# Altium PCB Matrix.PcbDoc (part 1 of 4) (continued)
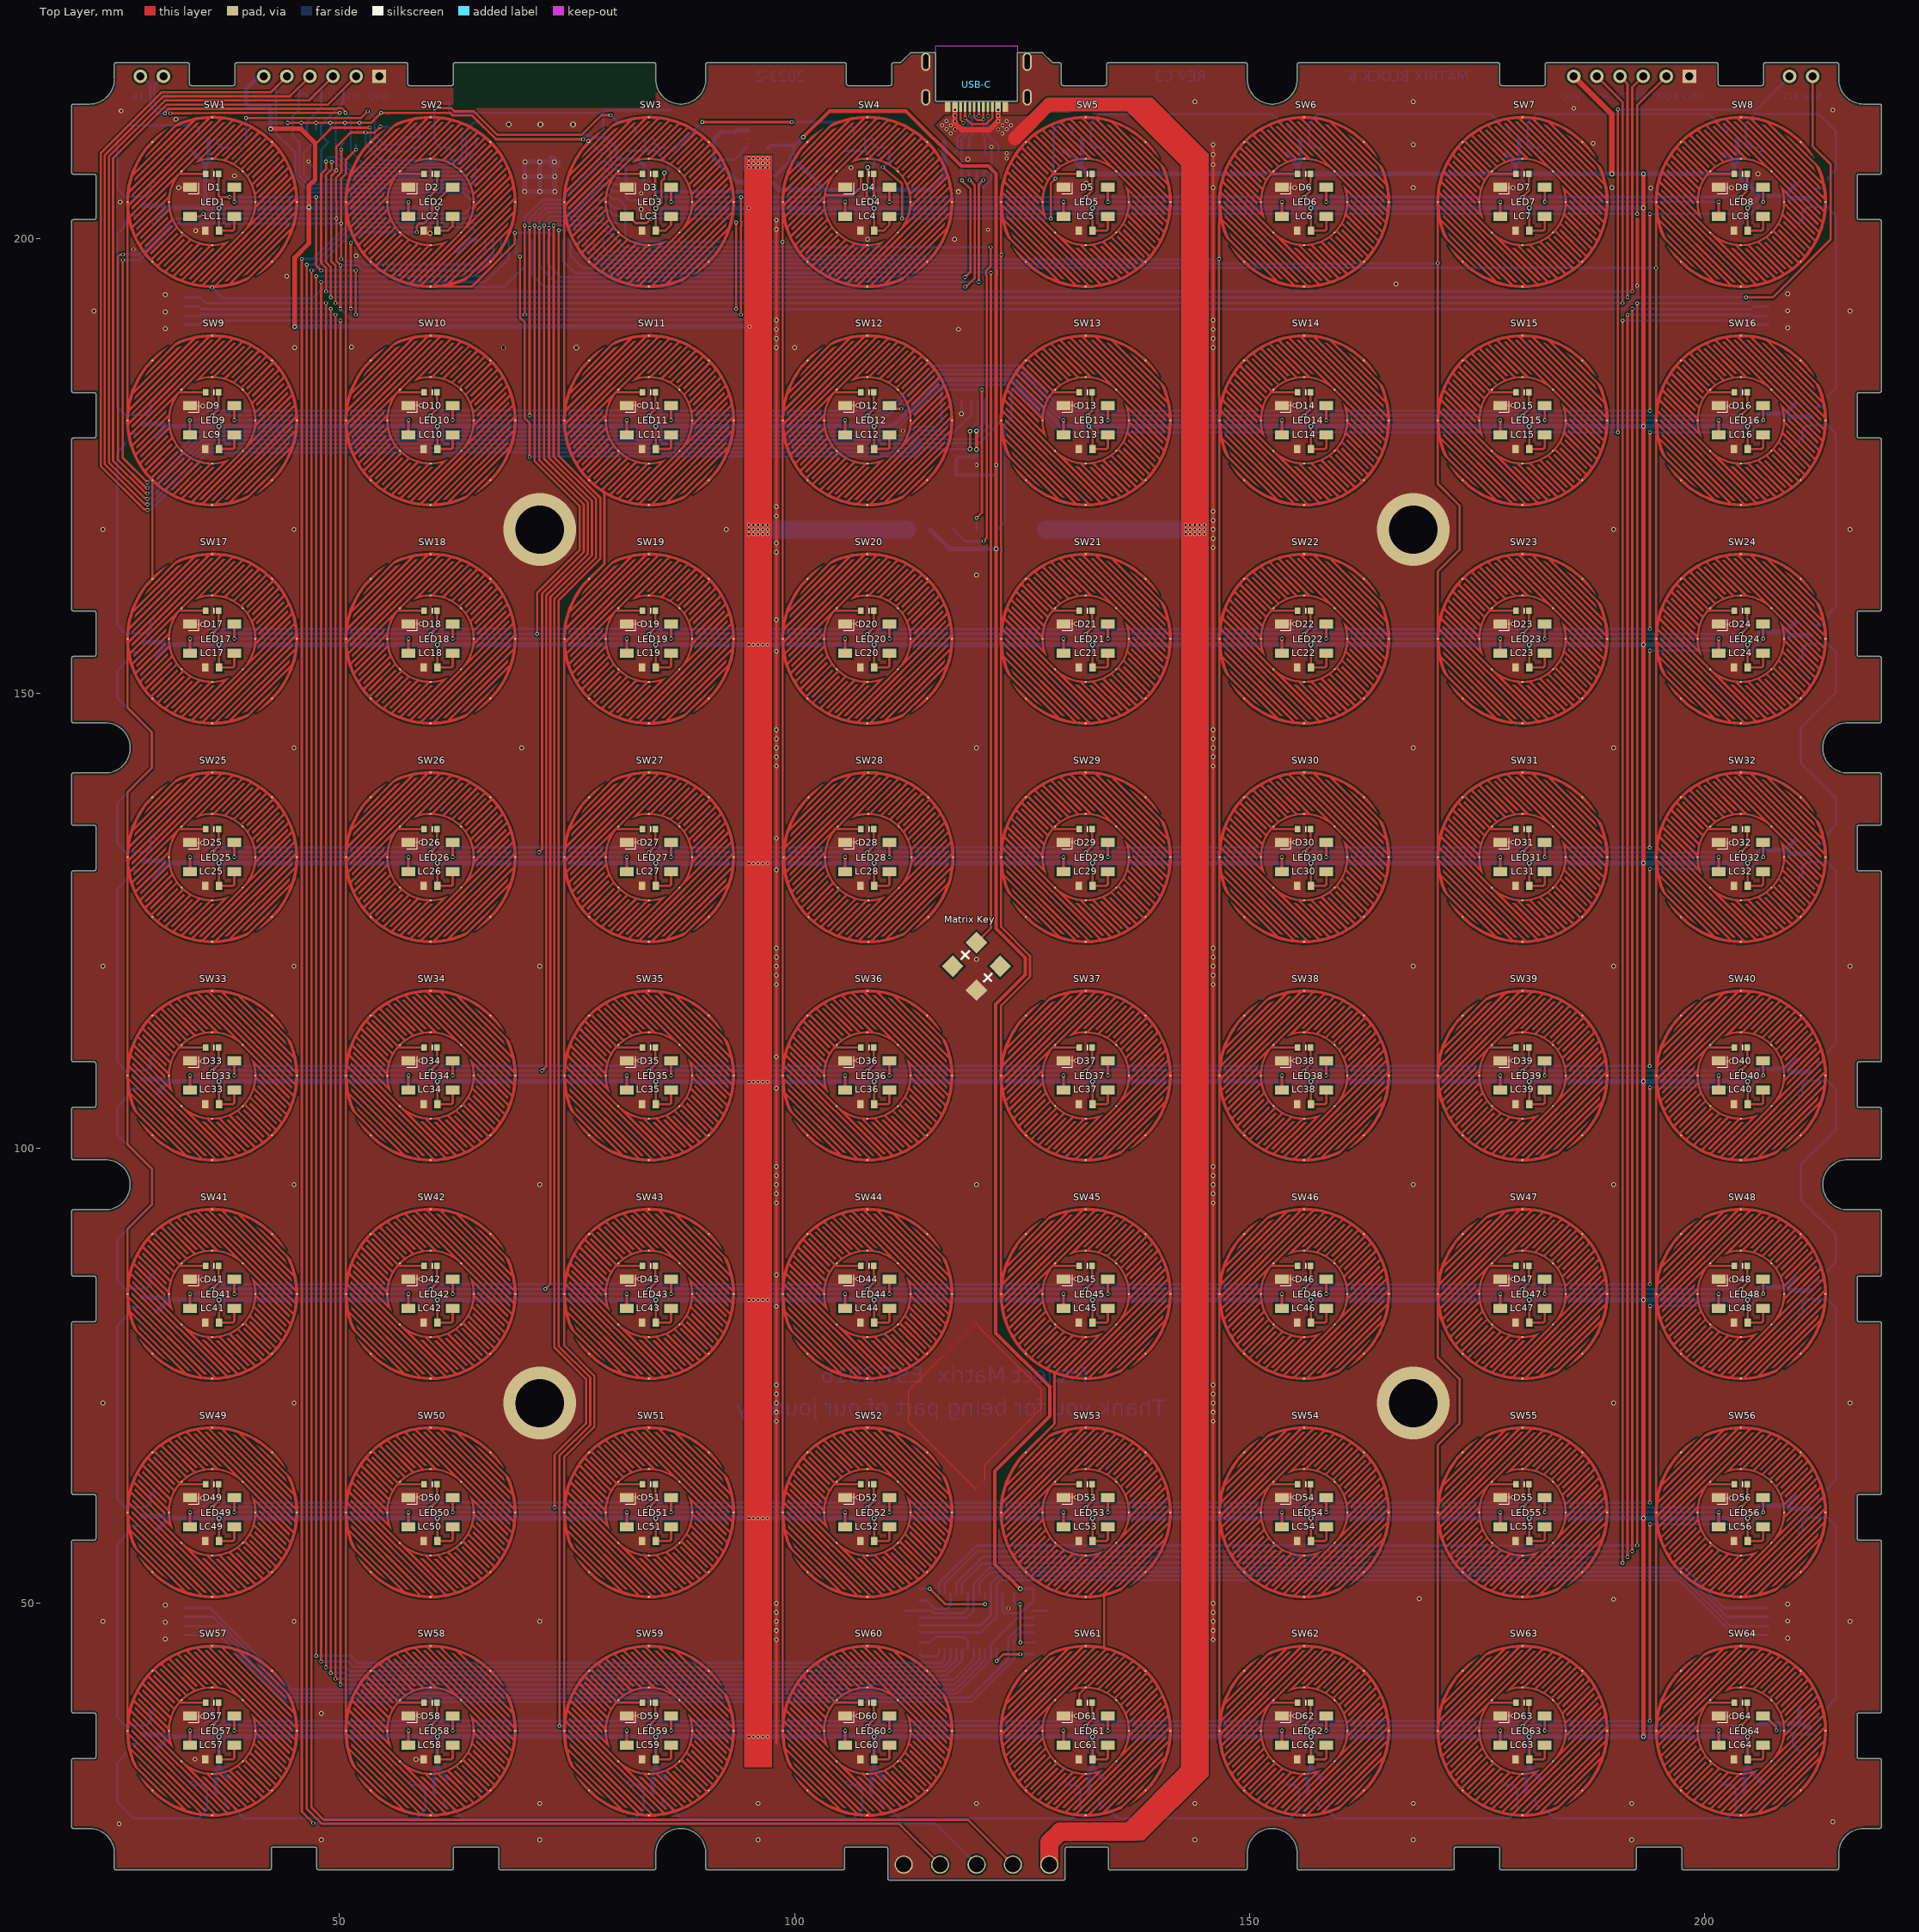
[diagram p0: Top Layer view]
## Components (designator, comment, footprint, x,y, rotation, side; value= is the part's Value field where it differs from the comment) (continued)
EXT "Comment" HDR1X2 30.645,217.8 r180 bottom
I2C "Comment" HDR1X2 211.895,217.8 r180 bottom
LC1 "Cap Semi" "0603 CAP" 36,200.85 r0 top value=0.1uf
LC2 "Cap Semi" "0603 CAP" 60,200.85 r0 top value=0.1uf
LC3 "Cap Semi" "0603 CAP" 84,200.85 r0 top value=0.1uf
LC4 "Cap Semi" "0603 CAP" 108,200.85 r0 top value=0.1uf
LC5 "Cap Semi" "0603 CAP" 132,200.85 r0 top value=0.1uf
LC6 "Cap Semi" "0603 CAP" 156,200.85 r0 top value=0.1uf
LC7 "Cap Semi" "0603 CAP" 180,200.85 r0 top value=0.1uf
LC8 "Cap Semi" "0603 CAP" 204,200.85 r0 top value=0.1uf
LC9 "Cap Semi" "0603 CAP" 36,176.85 r0 top value=0.1uf
LC10 "Cap Semi" "0603 CAP" 60,176.85 r0 top value=0.1uf
LC11 "Cap Semi" "0603 CAP" 84,176.85 r0 top value=0.1uf
LC12 "Cap Semi" "0603 CAP" 108,176.85 r0 top value=0.1uf
LC13 "Cap Semi" "0603 CAP" 132,176.85 r0 top value=0.1uf
LC14 "Cap Semi" "0603 CAP" 156,176.85 r0 top value=0.1uf
LC15 "Cap Semi" "0603 CAP" 180,176.85 r0 top value=0.1uf
LC16 "Cap Semi" "0603 CAP" 204,176.85 r0 top value=0.1uf
LC17 "Cap Semi" "0603 CAP" 36,152.85 r0 top value=0.1uf
LC18 "Cap Semi" "0603 CAP" 60,152.85 r0 top value=0.1uf
LC19 "Cap Semi" "0603 CAP" 84,152.85 r0 top value=0.1uf
LC20 "Cap Semi" "0603 CAP" 108,152.85 r0 top value=0.1uf
LC21 "Cap Semi" "0603 CAP" 132,152.85 r0 top value=0.1uf
LC22 "Cap Semi" "0603 CAP" 156,152.85 r0 top value=0.1uf
LC23 "Cap Semi" "0603 CAP" 180,152.85 r0 top value=0.1uf
LC24 "Cap Semi" "0603 CAP" 204,152.85 r0 top value=0.1uf
LC25 "Cap Semi" "0603 CAP" 36,128.85 r0 top value=0.1uf
LC26 "Cap Semi" "0603 CAP" 60,128.85 r0 top value=0.1uf
LC27 "Cap Semi" "0603 CAP" 84,128.85 r0 top value=0.1uf
LC28 "Cap Semi" "0603 CAP" 108,128.85 r0 top value=0.1uf
LC29 "Cap Semi" "0603 CAP" 132,128.85 r0 top value=0.1uf
LC30 "Cap Semi" "0603 CAP" 156,128.85 r0 top value=0.1uf
LC31 "Cap Semi" "0603 CAP" 180,128.85 r0 top value=0.1uf
LC32 "Cap Semi" "0603 CAP" 204,128.85 r0 top value=0.1uf
LC33 "Cap Semi" "0603 CAP" 36,104.85 r0 top value=0.1uf
LC34 "Cap Semi" "0603 CAP" 60,104.85 r0 top value=0.1uf
LC35 "Cap Semi" "0603 CAP" 84,104.85 r0 top value=0.1uf
LC36 "Cap Semi" "0603 CAP" 108,104.85 r0 top value=0.1uf
LC37 "Cap Semi" "0603 CAP" 132,104.85 r0 top value=0.1uf
LC38 "Cap Semi" "0603 CAP" 156,104.85 r0 top value=0.1uf
LC39 "Cap Semi" "0603 CAP" 180,104.85 r0 top value=0.1uf
LC40 "Cap Semi" "0603 CAP" 204,104.85 r0 top value=0.1uf
LC41 "Cap Semi" "0603 CAP" 36,80.85 r0 top value=0.1uf
LC42 "Cap Semi" "0603 CAP" 60,80.85 r0 top value=0.1uf
LC43 "Cap Semi" "0603 CAP" 84,80.85 r0 top value=0.1uf
LC44 "Cap Semi" "0603 CAP" 108,80.85 r0 top value=0.1uf
LC45 "Cap Semi" "0603 CAP" 132,80.85 r0 top value=0.1uf
LC46 "Cap Semi" "0603 CAP" 156,80.85 r0 top value=0.1uf
LC47 "Cap Semi" "0603 CAP" 180,80.85 r0 top value=0.1uf
LC48 "Cap Semi" "0603 CAP" 204,80.85 r0 top value=0.1uf
LC49 "Cap Semi" "0603 CAP" 36,56.85 r0 top value=0.1uf
LC50 "Cap Semi" "0603 CAP" 60,56.85 r0 top value=0.1uf
LC51 "Cap Semi" "0603 CAP" 84,56.85 r0 top value=0.1uf
LC52 "Cap Semi" "0603 CAP" 108,56.85 r0 top value=0.1uf
LC53 "Cap Semi" "0603 CAP" 132,56.85 r0 top value=0.1uf
LC54 "Cap Semi" "0603 CAP" 156,56.85 r0 top value=0.1uf
LC55 "Cap Semi" "0603 CAP" 180,56.85 r0 top value=0.1uf
LC56 "Cap Semi" "0603 CAP" 204,56.85 r0 top value=0.1uf
LC57 "Cap Semi" "0603 CAP" 36,32.85 r0 top value=0.1uf
LC58 "Cap Semi" "0603 CAP" 60,32.85 r0 top value=0.1uf
LC59 "Cap Semi" "0603 CAP" 84,32.85 r0 top value=0.1uf
LC60 "Cap Semi" "0603 CAP" 108,32.85 r0 top value=0.1uf
LC61 "Cap Semi" "0603 CAP" 132,32.85 r0 top value=0.1uf
LC62 "Cap Semi" "0603 CAP" 156,32.85 r0 top value=0.1uf
LC63 "Cap Semi" "0603 CAP" 180,32.85 r0 top value=0.1uf
LC64 "Cap Semi" "0603 CAP" 204,32.85 r0 top value=0.1uf
LC65 "Cap Semi" "0603 CAP" 208.8,36 r90 bottom value=0.1uf
LC66 "Cap Semi" "0603 CAP" 208.8,60 r90 bottom value=0.1uf
LC67 "Cap Semi" "0603 CAP" 208.8,84 r90 bottom value=0.1uf
LC68 "Cap Semi" "0603 CAP" 208.8,108 r90 bottom value=0.1uf
LC69 "Cap Semi" "0603 CAP" 208.8,132 r90 bottom value=0.1uf
LC70 "Cap Semi" "0603 CAP" 208.8,156 r90 bottom value=0.1uf
LC71 "Cap Semi" "0603 CAP" 208.8,180 r90 bottom value=0.1uf
LC72 "Cap Semi" "0603 CAP" 208.8,204 r90 bottom value=0.1uf
LC73 "Cap Semi" "0603 CAP" 204,208 r180 bottom value=0.1uf
LC74 "Cap Semi" "0603 CAP" 180,208 r180 bottom value=0.1uf
LC75 "Cap Semi" "0603 CAP" 155.986,208 r180 bottom value=0.1uf
LC76 "Cap Semi" "0603 CAP" 131.986,208 r180 bottom value=0.1uf
LC77 "Cap Semi" "0603 CAP" 108,208 r0 bottom value=0.1uf
LC78 "Cap Semi" "0603 CAP" 86.438,207.25 r90 bottom value=0.1uf
LC79 "Cap Semi" "0603 CAP" 55.46,210.287 r270 bottom value=0.1uf
LC80 "Cap Semi" "0603 CAP" 36,208 r180 bottom value=0.1uf
LC81 "Cap Semi" "0603 CAP" 31.2,204 r270 bottom value=0.1uf
LC82 "Cap Semi" "0603 CAP" 31.2,180 r270 bottom value=0.1uf
LC83 "Cap Semi" "0603 CAP" 31.2,156 r270 bottom value=0.1uf
LC84 "Cap Semi" "0603 CAP" 31.2,132 r270 bottom value=0.1uf
LC85 "Cap Semi" "0603 CAP" 31.2,108 r270 bottom value=0.1uf
LC86 "Cap Semi" "0603 CAP" 31.2,84 r270 bottom value=0.1uf
LC87 "Cap Semi" "0603 CAP" 31.2,60 r270 bottom value=0.1uf
LC88 "Cap Semi" "0603 CAP" 31.2,36 r270 bottom value=0.1uf
LC89 "Cap Semi" "0603 CAP" 36,32 r0 bottom value=0.1uf
LC90 "Cap Semi" "0603 CAP" 60,32 r0 bottom value=0.1uf
LC91 "Cap Semi" "0603 CAP" 84,32 r0 bottom value=0.1uf
LC92 "Cap Semi" "0603 CAP" 108,32 r0 bottom value=0.1uf
LC93 "Cap Semi" "0603 CAP" 132,32 r0 bottom value=0.1uf
LC94 "Cap Semi" "0603 CAP" 156,32 r0 bottom value=0.1uf
LC95 "Cap Semi" "0603 CAP" 180,32 r0 bottom value=0.1uf
LC96 "Cap Semi" "0603 CAP" 204,32 r0 bottom value=0.1uf
LDO "RT9080" SOT23-5 96,210.95 r0 bottom
LED1 "WS2812B" WS2812B#1 36,204 r180 top
LED2 "WS2812B" WS2812B#1 60,204 r180 top
LED3 "WS2812B" WS2812B#1 84,204 r180 top
LED4 "WS2812B" WS2812B#1 108,204 r180 top
LED5 "WS2812B" WS2812B#1 132,204 r180 top
LED6 "WS2812B" WS2812B#1 156,204 r180 top
LED7 "WS2812B" WS2812B#1 180,204 r180 top
LED8 "WS2812B" WS2812B#1 204,204 r180 top
LED9 "WS2812B" WS2812B#1 36,180 r180 top
LED10 "WS2812B" WS2812B#1 60,180 r180 top
LED11 "WS2812B" WS2812B#1 84,180 r180 top
LED12 "WS2812B" WS2812B#1 108,180 r180 top
LED13 "WS2812B" WS2812B#1 132,180 r180 top
LED14 "WS2812B" WS2812B#1 156,180 r180 top
LED15 "WS2812B" WS2812B#1 180,180 r180 top
LED16 "WS2812B" WS2812B#1 204,180 r180 top
LED17 "WS2812B" WS2812B#1 36,156 r180 top
LED18 "WS2812B" WS2812B#1 60,156 r180 top
LED19 "WS2812B" WS2812B#1 84,156 r180 top
LED20 "WS2812B" WS2812B#1 108,156 r180 top
LED21 "WS2812B" WS2812B#1 132,156 r180 top
LED22 "WS2812B" WS2812B#1 156,156 r180 top
LED23 "WS2812B" WS2812B#1 180,156 r180 top
LED24 "WS2812B" WS2812B#1 204,156 r180 top
LED25 "WS2812B" WS2812B#1 36,132 r180 top
LED26 "WS2812B" WS2812B#1 60,132 r180 top
LED27 "WS2812B" WS2812B#1 84,132 r180 top
LED28 "WS2812B" WS2812B#1 108,132 r180 top
LED29 "WS2812B" WS2812B#1 132,132 r180 top
LED30 "WS2812B" WS2812B#1 156,132 r180 top
LED31 "WS2812B" WS2812B#1 180,132 r180 top
LED32 "WS2812B" WS2812B#1 204,132 r180 top
LED33 "WS2812B" WS2812B#1 36,108 r180 top
LED34 "WS2812B" WS2812B#1 60,108 r180 top
LED35 "WS2812B" WS2812B#1 84,108 r180 top
LED36 "WS2812B" WS2812B#1 108,108 r180 top
LED37 "WS2812B" WS2812B#1 132,108 r180 top
LED38 "WS2812B" WS2812B#1 156,108 r180 top
LED39 "WS2812B" WS2812B#1 180,108 r180 top
LED40 "WS2812B" WS2812B#1 204,108 r180 top
LED41 "WS2812B" WS2812B#1 36,84 r180 top
LED42 "WS2812B" WS2812B#1 60,84 r180 top
LED43 "WS2812B" WS2812B#1 84,84 r180 top
LED44 "WS2812B" WS2812B#1 108,84 r180 top
LED45 "WS2812B" WS2812B#1 132,84 r180 top
LED46 "WS2812B" WS2812B#1 156,84 r180 top
LED47 "WS2812B" WS2812B#1 180,84 r180 top
LED48 "WS2812B" WS2812B#1 204,84 r180 top
LED49 "WS2812B" WS2812B#1 36,60 r180 top
LED50 "WS2812B" WS2812B#1 60,60 r180 top
LED51 "WS2812B" WS2812B#1 84,60 r180 top
LED52 "WS2812B" WS2812B#1 108,60 r180 top
LED53 "WS2812B" WS2812B#1 132,60 r180 top
LED54 "WS2812B" WS2812B#1 156,60 r180 top
LED55 "WS2812B" WS2812B#1 180,60 r180 top
LED56 "WS2812B" WS2812B#1 204,60 r180 top
LED57 "WS2812B" WS2812B#1 36,36 r180 top
LED58 "WS2812B" WS2812B#1 60,36 r180 top
LED59 "WS2812B" WS2812B#1 84,36 r180 top
LED60 "WS2812B" WS2812B#1 108,36 r180 top
LED61 "WS2812B" WS2812B#1 132,36 r180 top
LED62 "WS2812B" WS2812B#1 156,36 r180 top
LED63 "WS2812B" WS2812B#1 180,36 r180 top
LED64 "WS2812B" WS2812B#1 204,36 r180 top
LED65 "WS2812B" WS2812B#1 212,36 r270 bottom
LED65-2 "Comment" "3210 LED" 212,36 r90 bottom
LED66 "WS2812B" WS2812B#1 212,60 r270 bottom
LED66-2 "Comment" "3210 LED" 212,60 r90 bottom
LED67 "WS2812B" WS2812B#1 212,84 r270 bottom
LED67-2 "Comment" "3210 LED" 212,84 r90 bottom
LED68 "WS2812B" WS2812B#1 212,108 r270 bottom
LED68-2 "Comment" "3210 LED" 212,108 r90 bottom
LED69 "WS2812B" WS2812B#1 212,132 r270 bottom
LED69-2 "Comment" "3210 LED" 212,132 r90 bottom
LED70 "WS2812B" WS2812B#1 212,156 r270 bottom
LED70-2 "Comment" "3210 LED" 212,156 r90 bottom
LED71 "WS2812B" WS2812B#1 212,180 r270 bottom
LED71-2 "Comment" "3210 LED" 212,180 r90 bottom
LED72 "WS2812B" WS2812B#1 212,204 r270 bottom
LED72-2 "Comment" "3210 LED" 212,204 r90 bottom
LED73 "WS2812B" WS2812B#1 204,211.2 r0 bottom
LED73-2 "Comment" "3210 LED" 204,211.2 r180 bottom
LED74 "WS2812B" WS2812B#1 180,211.2 r0 bottom
LED75 "WS2812B" WS2812B#1 156,211.2 r0 bottom
LED75-2 "Comment" "3210 LED" 156,211.2 r180 bottom
LED76 "WS2812B" WS2812B#1 132,211.2 r0 bottom
LED76-2 "Comment" "3210 LED" 132,211.2 r180 bottom
LED77 "WS2812B" WS2812B#1 108,211.2 r0 bottom
LED77-2 "Comment" "3210 LED" 108,211.2 r180 bottom
LED78 "WS2812B" WS2812B#1 84,211.2 r0 bottom
LED78-2 "Comment" "3210 LED" 84,211.2 r180 bottom
LED79 "WS2812B" WS2812B#2 60,211.2 r0 bottom
LED79-2 "Comment" "3210 LED" 60,211.2 r180 bottom
LED80 "WS2812B" WS2812B#1 36,211.2 r0 bottom
LED80-2 "Comment" "3210 LED" 36,211.2 r180 bottom
LED81 "WS2812B" WS2812B#1 28,204 r90 bottom
LED81-2 "Comment" "3210 LED" 28,204 r270 bottom
LED81-27 "Comment" "3210 LED" 180,211.2 r180 bottom
LED82 "WS2812B" WS2812B#1 28,180 r90 bottom
LED82-2 "Comment" "3210 LED" 28,180 r270 bottom
LED83 "WS2812B" WS2812B#1 28,156 r90 bottom
LED83-2 "Comment" "3210 LED" 28,156 r270 bottom
LED84 "WS2812B" WS2812B#1 28,132 r90 bottom
LED84-2 "Comment" "3210 LED" 28,132 r270 bottom
LED85 "WS2812B" WS2812B#1 28,108 r90 bottom
LED85-2 "Comment" "3210 LED" 28,108 r270 bottom
LED86 "WS2812B" WS2812B#1 28,84 r90 bottom
LED86-2 "Comment" "3210 LED" 28,84 r270 bottom
LED87 "WS2812B" WS2812B#1 28,60 r90 bottom
LED87-2 "Comment" "3210 LED" 28,60 r270 bottom
LED88 "WS2812B" WS2812B#1 28,36 r90 bottom
LED88-2 "Comment" "3210 LED" 28,36 r270 bottom
LED89 "WS2812B" WS2812B#1 36,28.8 r180 bottom
LED89-2 "Comment" "3210 LED" 36,28.8 r0 bottom
LED90 "WS2812B" WS2812B#1 60,28.8 r180 bottom
LED90-2 "Comment" "3210 LED" 60,28.8 r0 bottom
LED91 "WS2812B" WS2812B#1 84,28.8 r180 bottom
LED91-2 "Comment" "3210 LED" 84,28.8 r0 bottom
LED92 "WS2812B" WS2812B#1 108,28.8 r180 bottom
LED92-2 "Comment" "3210 LED" 108,28.8 r0 bottom
LED93 "WS2812B" WS2812B#1 132,28.8 r180 bottom
LED93-2 "Comment" "3210 LED" 132,28.8 r0 bottom
LED94 "WS2812B" WS2812B#1 156,28.8 r180 bottom
LED94-2 "Comment" "3210 LED" 156,28.8 r0 bottom
LED95 "WS2812B" WS2812B#1 180,28.8 r180 bottom
LED95-2 "Comment" "3210 LED" 180,28.8 r0 bottom
LED96 "WS2812B" WS2812B#1 204,28.8 r180 bottom
LED96-2 "Comment" "3210 LED" 204,28.8 r0 bottom
"Matrix Key" "Comment" sw5x5 120,120 r45 top
MCU "ESP32-S3-MINI-1" ESP32-S3-MINI-1 72,206.8 r180 bottom
MXM "SD Card with Switch" "TF Slot 2" 120,178.5 r0 bottom
P1 "Comment" "Pogo v2"#1 128,21.277 r180 bottom
P2 "Comment" "Pogo v2"#2 124,21.277 r180 bottom
P3 "Comment" "Pogo v2"#3 120,21.277 r180 bottom
P4 "Comment" "Pogo v2"#4 116,21.277 r180 bottom
P5 "Comment" "Pogo v2"#5 112,21.277 r180 bottom
PD1 "SS34" SOD123 98.776,208.272 r180 bottom
PD2 "SS34" SOD123 93.224,208.272 r180 bottom
PD3 "SS34" SOD123 96.1,206 r180 bottom (schematic designator PD1)
R1 "MCU" "0603 RES"#1 122.42,208.7 r270 bottom value=5.1k
R2 "MCU" "0603 RES"#1 117.58,208.7 r90 bottom value=5.1k
R5 "MCU" "0603 RES"#2 55.46,212.872 r270 bottom value=10k
R6 "MCU" "0603 RES"#1 52,211.26 r270 bottom value=10k
R7 "MCU" "0603 RES"#1 50.4,211.26 r270 bottom value=10k
R8 "MCU" "0603 RES"#1 48.8,211.26 r270 bottom value=10k
R9 "MCU" "0603 RES"#1 47.2,211.26 r270 bottom value=10k
R10 "MCU" "0603 RES"#1 45.6,211.26 r270 bottom value=10k
R11 "MCU" "0603 RES"#1 44,211.26 r270 bottom value=10k
RA1 "Touch Bar" 8P4R#1 81.426,206.25 r270 bottom value=680
RA2 "Touch Bar" 8P4R#1 81.426,202 r270 bottom value=680
RA3 "Touch Bar" 8P4R#2 127,48 r270 bottom value=820K
RA4 "Touch Bar" 8P4R#2 113,48 r90 bottom value=820K
SW1 "" "FSR Pad" 36,204 r45 top locked
SW2 "" "FSR Pad" 60,204 r45 top locked
SW3 "" "FSR Pad" 84,204 r45 top
SW4 "" "FSR Pad" 108,204 r45 top locked
SW5 "" "FSR Pad" 132,204 r315 top locked
SW6 "" "FSR Pad" 156,204 r315 top locked
SW7 "" "FSR Pad" 180,204 r315 top locked
SW8 "" "FSR Pad" 204,204 r315 top locked
SW9 "" "FSR Pad" 36,180 r45 top locked
SW10 "" "FSR Pad" 60,180 r45 top locked
SW11 "" "FSR Pad" 84,180 r45 top locked
SW12 "" "FSR Pad" 108,180 r45 top locked
SW13 "" "FSR Pad" 132,180 r315 top locked
SW14 "" "FSR Pad" 156,180 r315 top locked
SW15 "" "FSR Pad" 180,180 r315 top locked
SW16 "" "FSR Pad" 204,180 r315 top locked
SW17 "" "FSR Pad" 36,156 r45 top locked
SW18 "" "FSR Pad" 60,156 r45 top locked
SW19 "" "FSR Pad" 84,156 r45 top locked
SW20 "" "FSR Pad" 108,156 r45 top locked
SW21 "" "FSR Pad" 132,156 r315 top locked
SW22 "" "FSR Pad" 156,156 r315 top locked
SW23 "" "FSR Pad" 180,156 r315 top locked
SW24 "" "FSR Pad" 204,156 r315 top locked
SW25 "" "FSR Pad" 36,132 r45 top locked
SW26 "" "FSR Pad" 60,132 r45 top locked
SW27 "" "FSR Pad" 84,132 r45 top locked
SW28 "" "FSR Pad" 108.11,131.987 r45 top locked
SW29 "" "FSR Pad" 132,132 r315 top locked
SW30 "" "FSR Pad" 156,132 r315 top locked
SW31 "" "FSR Pad" 180,132 r315 top locked
SW32 "" "FSR Pad" 204,132 r315 top locked
SW33 "" "FSR Pad" 36,108 r315 top locked
SW34 "" "FSR Pad" 60,108 r315 top locked
SW35 "" "FSR Pad" 84,108 r315 top locked
SW36 "" "FSR Pad" 108,108 r315 top locked
SW37 "" "FSR Pad" 132,108 r45 top locked
SW38 "" "FSR Pad" 156,108 r45 top locked
SW39 "" "FSR Pad" 180,108 r45 top locked
SW40 "" "FSR Pad" 204,108 r45 top locked
SW41 "" "FSR Pad" 36,84 r315 top locked
SW42 "" "FSR Pad" 60,84 r315 top locked
SW43 "" "FSR Pad" 84,84 r315 top locked
SW44 "" "FSR Pad" 108,84 r315 top locked
SW45 "" "FSR Pad" 132,84 r45 top locked
SW46 "" "FSR Pad" 156,84 r45 top locked
SW47 "" "FSR Pad" 180,84 r45 top locked
SW48 "" "FSR Pad" 204,84 r45 top locked
SW49 "" "FSR Pad" 36,60 r315 top locked
SW50 "" "FSR Pad" 60,60 r315 top locked
SW51 "" "FSR Pad" 84,60 r315 top locked
SW52 "" "FSR Pad" 108,60 r315 top locked
SW53 "" "FSR Pad" 132,60 r45 top locked
SW54 "" "FSR Pad" 156,60 r45 top locked
SW55 "" "FSR Pad" 180,60 r45 top locked
SW56 "" "FSR Pad" 204,60 r45 top locked
SW57 "" "FSR Pad" 36,36 r315 top locked
SW58 "" "FSR Pad" 60,36 r315 top locked
SW59 "" "FSR Pad" 84,36 r315 top locked
SW60 "" "FSR Pad" 108,36 r315 top locked
SW61 "" "FSR Pad" 132,36 r225 top
SW62 "" "FSR Pad" 156,36 r45 top locked
SW63 "" "FSR Pad" 180,36 r45 top locked
SW64 "" "FSR Pad" 204,36 r45 top locked
TC1 "Touch Bar" "0603 CAP" 127,51.6 r180 bottom value=0.1uf
TC2 "Touch Bar" "0603 CAP" 127,50.3 r180 bottom value=5pF
TC3 "Touch Bar" "0603 CAP" 127,45.7 r180 bottom value=5pF
TC4 "Touch Bar" "0603 CAP" 127,44.4 r180 bottom value=5pF
TC5 "Touch Bar" "0603 CAP" 113,51.6 r0 bottom value=5pF
TC6 "Touch Bar" "0603 CAP" 113,50.3 r0 bottom value=5pF
TC7 "Touch Bar" "0603 CAP" 113,45.7 r0 bottom value=5pF
TC8 "Touch Bar" "0603 CAP" 113,44.4 r0 bottom value=5pF
"Touch IC" "TTP229-BSF" SSOP-28 120,48 r90 bottom (schematic designator "TOUCH IC")
TouchBar1 "6P FPC P1.0" "6Pin FPC 1.0mm" 207,192 r270 bottom
TouchBar2 "6P FPC P1.0" "6Pin FPC 1.0mm" 33,192 r90 bottom
TouchBar3 "6P FPC P1.0" "6Pin FPC 1.0mm" 207,48 r270 bottom
TouchBar4 "6P FPC P1.0" "6Pin FPC 1.0mm" 33,48 r90 bottom
UPD "Interface to flash ESP" HDR1X6 198.34,217.8 r180 bottom (schematic designator FLASH)
USB-C "USBC 16PIN" "USBC 16PIN -1.2" 120,213.9 r0 top value="沉板1.6mm D6.5"

## Footprints (in the part's own frame and the unit in brackets; to place one, negate y for a bottom-side part, rotate by r counter-clockwise, add the part's x,y. Pads: shape width x height; smd on the part's side, far side on the other; paste and mask are expansions set on the pad)
"6Pin FPC 1.0mm" [mm]
  rect 2.6x2.6 smd: 0(-4.9,-2.15) 0(4.8,-2.15)
  rect 0.6x2.2 smd: 1(-2.5,0) 2(-1.5,0) 3(-0.5,0) 4(0.5,0) 5(1.5,0) 6(2.5,0)
  body extent -5.1,-5.95 5.1,0.95, height 2
8P4R#1 [mm]
  rect 0.45x0.75 smd: 1(-1.2,0.75) 2(-0.4,0.75) 3(0.4,0.75) 4(1.2,0.75) 5(-1.2,-0.75) 6(-0.4,-0.75) 7(0.4,-0.75) 8(1.2,-0.75)
  body extent -1.6,-0.8 1.6,0.8, height 0.61
8P4R#2 [mm]
  rect 0.45x0.9 smd: 1(-1.2,0.75) 2(-0.4,0.75) 3(0.4,0.75) 4(1.2,0.75) 5(-1.2,-0.75) 6(-0.4,-0.75) 7(0.4,-0.75) 8(1.2,-0.75)
  body extent -1.6,-0.8 1.6,0.8, height 0.61
"0603 CAP" [mm] "Chip Resistor, Body 1.6x0.8mm, IPC High Density"
  rect 0.7x0.9 smd: 1(-0.75,0) 2(0.75,0)
  body extent -1.2,-0.58 1.2,0.57, height 0.82
"0603 RES"#1 [mm] "Chip Resistor, Body 1.6x0.8mm, IPC High Density"
  rect 0.8x0.9 smd: 1(-0.7,0) 2(0.7,0)
  body extent -1.2,-0.58 1.2,0.57, height 0.47
"0603 RES"#2 [mm] "Chip Resistor, Body 1.6x0.8mm, IPC High Density"
  rect 0.7x0.9 smd: 1(-0.75,0) 2(0.75,0)
  body extent -1.2,-0.58 1.2,0.57, height 0.47
"3210 LED" [mm]
  rect 0.6x0.45 smd: 1(0.4,-0.2) 4(-0.4,-0.2)
  rect 0.7x0.75 smd: 2(1.25,-0.05) 3(-1.25,-0.05)
  body extent -1.6,-0.25 1.6,1.25, height 1
ESP32-S3-MINI-1 [mm]
  rect 0.8x0.4 smd paste+0 mask+0: 1(-7,5.95) 2(-7,5.1) 3(-7,4.25) 4(-7,3.4) 5(-7,2.55) 6(-7,1.7) 7(-7,0.85) 8(-7,0) 9(-7,-0.85) 10(-7,-1.7) 11(-7,-2.55) 12(-7,-3.4) 13(-7,-4.25) 14(-7,-5.1) 15(-7,-5.95) 31(7,-5.95) 32(7,-5.1) 33(7,-4.25) 34(7,-3.4) 35(7,-2.55) 36(7,-1.7) 37(7,-0.85) 38(7,0) 39(7,0.85) 40(7,1.7) 41(7,2.55) 42(7,3.4) 43(7,4.25) 44(7,5.1) 45(7,5.95)
  rect 0.4x0.8 smd paste+0 mask+0: 16(-5.95,-7) 17(-5.1,-7) 18(-4.25,-7) 19(-3.4,-7) 20(-2.55,-7) 21(-1.7,-7) 22(-0.85,-7) 23(0,-7) 24(0.85,-7) 25(1.7,-7) 26(2.55,-7) 27(3.4,-7) 28(4.25,-7) 29(5.1,-7) 30(5.95,-7) 46(5.95,7) 47(5.1,7) 48(4.25,7) 49(3.4,7) 50(2.55,7) 51(1.7,7) 52(0.85,7) 53(0,7) 54(-0.85,7) 55(-1.7,7) 56(-2.55,7) 57(-3.4,7) 58(-4.25,7) 59(-5.1,7) 60(-5.95,7)
  rect 1.2x1.2 smd paste+0 mask+0: 61(-1.65,-1.65) 61(-1.65,0) 61(0,-1.65) 61(0,0) 61(0,1.65) 61(1.65,-1.65) 61(1.65,0) 61(1.65,1.65)
  round 0.945 smd paste+0 mask+0: 61(-1.575,1.575)
  rect 0.8x0.8 smd paste+0 mask+0: 62(-7,7) 63(-7,-7) 64(7,-7) 65(7,7)
  Top Layer region: -2.25,1.65 -2.25,1.05 -1.05,1.05 -1.05,2.25 -1.65,2.25
  silkscreen extent -7.68,-7.68 7.68,12.27, body extent -7.75,-7.7 7.65,12.3, height 2.41
"FSR Pad" [mm]
  rrect50% 0.2x0.2 smd paste-2539.97 mask+0: 1(-9.3,0) 1(0,-4.75) 1(0,9.3) 1(4.75,0) 2(-4.75,0) 2(0,4.75) 2(0,-9.3) 2(9.3,0)
  rrect50% 0.2x0.2 smd rot 45 paste-2539.97 mask+0: 1(-6.576,-6.576) 1(3.359,3.359) 2(-3.359,-3.359) 2(6.576,6.576)
  rrect50% 0.2x0.2 smd rot 135 paste-2539.97 mask+0: 1(-6.576,6.576) 1(3.359,-3.359) 2(-3.359,3.359) 2(6.576,-6.576)
  Top Layer region: -7.707,-4.35 -7.763,-4.25 -7.817,-4.15 -7.817,-4.15 -2.51,-4.15 -3.035,-3.783 -3.507,-3.35 -3.507,-3.35 -8.191,-3.35 -8.232,-3.25 -8.27,-3.15 -8.27,-3.15 -8.27,-3.15 -3.688,-3.15 -3.688,-3.15 -3.985,-2.764 -4.243,-2.35 -4.243,-2.35 -8.532,-2.35 -8.559,-2.25 -8.585,-2.15 -8.585,-2.15 -4.347,-2.15 -4.521,-1.757 -4.658,-1.35 -4.658,-1.35 -8.746,-1.35 -8.761,-1.25 -8.775,-1.15 -8.775,-1.15 -4.712,-1.15 -4.791,-0.753 -4.837,-0.35 -4.837,-0.35 -8.843,-0.35 -8.846,-0.25 -8.849,-0.15 -8.849,-0.15 -4.848,-0.15 -4.844,0.251 -4.806,0.65 -4.806,0.65 -8.826,0.65 -8.818,0.75 -8.809,0.85 -8.809,0.85 -4.775,0.85 -4.685,1.255 -4.561,1.65 -4.561,1.65 -8.695,1.65 -8.675,1.75 -8.654,1.85 -8.654,1.85 -4.483,1.85 -4.483,1.85 -4.291,2.26 -4.062,2.65 -4.062,2.65 -8.444,2.65 -8.412,2.75 -8.379,2.85 -8.379,2.85 -3.924,2.85 -3.581,3.27 -3.194,3.65 -3.194,3.65 -8.062,3.65 -8.016,3.75 -7.969,3.85 -7.969,3.85 -2.95,3.85 -2.201,4.322 -1.378,4.65 -1.378,4.65 -7.53,4.65 -7.467,4.75 -7.403,4.85 -7.403,4.85 7.759,4.85 7.489,5.258 7.197,5.65 7.197,5.65 -6.812,5.65 -6.812,5.65 -6.727,5.751 -6.641,5.85 -6.641,5.85 7.036,5.85 7.036,5.85 6.672,6.261 6.285,6.65 6.285,6.65 -5.84,6.65 -5.722,6.751 -5.604,6.85 -5.604,6.85 6.066,6.85 5.558,7.269 5.02,7.65 5.02,7.65 -4.45,7.65 -4.269,7.752 -4.087,7.85 -4.087,7.85 4.701,7.85 3.863,8.295 2.983,8.65 2.983,8.65 -1.871,8.65 -0.941,8.8 0,8.85 0,8.85 3.127,8.85 3.316,8.832 3.497,8.779 3.497,8.779 3.497,8.779 7.293,6.009 9.286,1.754 8.982,-2.936 6.458,-6.899 2.337,-9.157 -2.362,-9.15 -2.362,-9.15 0,-9.15 1.913,-8.948 3.742,-8.35 3.742,-8.35 3.742,-8.35 -2.933,-8.35 -3.193,-8.254 -3.45,-8.15 -3.45,-8.15 -3.45,-8.15 4.159,-8.15 4.821,-7.777 5.45,-7.35 5.45,-7.35 -4.93,-7.35 -5.073,-7.251 -5.215,-7.15 -5.215,-7.15 5.71,-7.15 5.71,-7.15 6.162,-6.764 6.588,-6.35 6.588,-6.35 -6.164,-6.35 -6.265,-6.251 -6.364,-6.15 -6.364,-6.15 6.775,-6.15 7.11,-5.759 7.423,-5.35 7.423,-5.35 -7.05,-5.35 -7.124,-5.251 -7.197,-5.15 -7.197,-5.15 7.563,-5.15 7.817,-4.756 8.05,-4.35 8.05,-4.35 2.757,-4.35 2.905,-4.253 3.05,-4.15 3.05,-4.15 8.155,-4.15 8.344,-3.754 8.515,-3.35 8.515,-3.35 3.912,-3.35 3.994,-3.251 4.074,-3.15 4.074,-3.15 8.591,-3.15 8.726,-2.753 8.843,-2.35 8.843,-2.35 4.583,-2.35 4.632,-2.251 4.68,-2.15 4.68,-2.15 8.894,-2.15 8.981,-1.752 9.05,-1.35 9.05,-1.35 4.97,-1.35 4.996,-1.25 5.02,-1.15 5.02,-1.15 9.077,-1.15 9.119,-0.751 9.143,-0.35 9.143,-0.35 5.138,-0.35 5.144,-0.25 5.148,-0.15 5.148,-0.15 9.149,-0.15 9.147,0.25 9.127,0.65 9.127,0.65 9.127,0.65 5.109,0.65 5.095,0.75 5.079,0.85 5.079,0.85 9.11,0.85 9.064,1.251 9,1.65 9,1.65 4.879,1.65 4.843,1.75 4.806,1.85 4.806,1.85 8.961,1.85 8.868,2.252 8.758,2.65 8.758,2.65 4.416,2.65 4.354,2.751 4.29,2.85 4.29,2.85 8.695,2.85 8.552,3.254 8.39,3.65 8.39,3.65 3.633,3.65 3.528,3.752 3.421,3.85 3.421,3.85 8.301,3.85 8.1,4.255 7.88,4.65 7.88,4.65 0,4.65 -2.079,4.16 -3.719,2.792 -4.574,0.835 -4.465,-1.298 -3.414,-3.157 -1.643,-4.35 -1.643,-4.35 -1.643,-4.35
  Top Layer region: -8.39,-3.65 -8.552,-3.254 -8.695,-2.85 -8.695,-2.85 -4.29,-2.85 -4.354,-2.751 -4.416,-2.65 -4.416,-2.65 -8.758,-2.65 -8.868,-2.252 -8.961,-1.85 -8.961,-1.85 -4.806,-1.85 -4.843,-1.75 -4.879,-1.65 -4.879,-1.65 -9,-1.65 -9.064,-1.251 -9.11,-0.85 -9.11,-0.85 -5.079,-0.85 -5.095,-0.75 -5.109,-0.65 -5.109,-0.65 -9.127,-0.65 -9.127,-0.65 -9.147,-0.25 -9.149,0.15 -9.149,0.15 -5.148,0.15 -5.144,0.25 -5.138,0.35 -5.138,0.35 -9.143,0.35 -9.119,0.751 -9.077,1.15 -9.077,1.15 -5.02,1.15 -4.996,1.25 -4.97,1.35 -4.97,1.35 -9.05,1.35 -8.981,1.752 -8.894,2.15 -8.894,2.15 -4.68,2.15 -4.632,2.251 -4.583,2.35 -4.583,2.35 -8.843,2.35 -8.726,2.753 -8.591,3.15 -8.591,3.15 -4.074,3.15 -3.994,3.251 -3.912,3.35 -3.912,3.35 -8.515,3.35 -8.344,3.754 -8.155,4.15 -8.155,4.15 -3.05,4.15 -2.905,4.253 -2.757,4.35 -2.757,4.35 -8.05,4.35 -7.817,4.756 -7.563,5.15 -7.563,5.15 7.197,5.15 7.124,5.251 7.05,5.35 7.05,5.35 -7.423,5.35 -7.11,5.759 -6.775,6.15 -6.775,6.15 6.364,6.15 6.265,6.251 6.164,6.35 6.164,6.35 -6.588,6.35 -6.162,6.764 -5.71,7.15 -5.71,7.15 -5.71,7.15 5.215,7.15 5.073,7.251 4.93,7.35 4.93,7.35 -5.45,7.35 -4.821,7.777 -4.159,8.15 -4.159,8.15 3.45,8.15 3.45,8.15 3.193,8.254 2.933,8.35 2.933,8.35 -3.742,8.35 -3.742,8.35 -1.913,8.948 0,9.15 0,9.15 2.362,9.15 -2.337,9.157 -6.458,6.899 -8.982,2.936 -9.286,-1.754 -7.293,-6.009 -3.497,-8.779 -3.497,-8.779 -3.497,-8.779 -3.316,-8.832 -3.127,-8.85 -3.127,-8.85 0,-8.85 0.941,-8.8 1.871,-8.65 1.871,-8.65 -2.983,-8.65 -3.863,-8.295 -4.701,-7.85 -4.701,-7.85 4.087,-7.85 4.269,-7.752 4.45,-7.65 4.45,-7.65 -5.02,-7.65 -5.558,-7.269 -6.066,-6.85 -6.066,-6.85 5.604,-6.85 5.722,-6.751 5.84,-6.65 5.84,-6.65 -6.285,-6.65 -6.672,-6.261 -7.036,-5.85 -7.036,-5.85 -7.036,-5.85 6.641,-5.85 6.727,-5.751 6.812,-5.65 6.812,-5.65 6.812,-5.65 -7.197,-5.65 -7.489,-5.258 -7.759,-4.85 -7.759,-4.85 7.403,-4.85 7.467,-4.75 7.53,-4.65 7.53,-4.65 1.378,-4.65 2.201,-4.322 2.95,-3.85 2.95,-3.85 7.969,-3.85 8.016,-3.75 8.062,-3.65 8.062,-3.65 3.194,-3.65 3.581,-3.27 3.924,-2.85 3.924,-2.85 8.379,-2.85 8.412,-2.75 8.444,-2.65 8.444,-2.65 4.062,-2.65 4.291,-2.26 4.483,-1.85 4.483,-1.85 4.483,-1.85 8.654,-1.85 8.675,-1.75 8.695,-1.65 8.695,-1.65 4.561,-1.65 4.685,-1.255 4.775,-0.85 4.775,-0.85 8.809,-0.85 8.818,-0.75 8.826,-0.65 8.826,-0.65 4.806,-0.65 4.844,-0.251 4.848,0.15 4.848,0.15 8.849,0.15 8.846,0.25 8.843,0.35 8.843,0.35 4.837,0.35 4.791,0.753 4.712,1.15 4.712,1.15 8.775,1.15 8.761,1.25 8.746,1.35 8.746,1.35 4.658,1.35 4.521,1.757 4.347,2.15 4.347,2.15 8.585,2.15 8.559,2.25 8.532,2.35 8.532,2.35 4.243,2.35 3.985,2.764 3.688,3.15 3.688,3.15 3.688,3.15 8.27,3.15 8.27,3.15 8.232,3.25 8.191,3.35 8.191,3.35 3.507,3.35 3.035,3.783 2.51,4.15 2.51,4.15 7.817,4.15 7.763,4.25 7.707,4.35 7.707,4.35 1.643,4.35 1.643,4.35 3.414,3.157 4.465,1.298 4.574,-0.835 3.719,-2.792 2.079,-4.16 0,-4.65 0,-4.65 -7.88,-4.65 -8.1,-4.255 -8.301,-3.85 -8.301,-3.85 -3.421,-3.85 -3.528,-3.752 -3.633,-3.65 -3.633,-3.65
HDR1X2 [mm] "Connector; Header; 2 Position"
  round 1.5 hole 0.9: 1(0,0) 2(2.54,0)
  silkscreen extent -1.27,-1.27 3.81,1.27
HDR1X6 [mm] "Connector; Header; 6 Position"
  rect 1.5x1.5 hole 0.9: 1(0,0)
  round 1.5 hole 0.9: 2(2.54,0) 3(5.08,0) 4(7.62,0) 5(10.16,0) 6(12.7,0)
  silkscreen extent -1.27,-1.27 13.97,1.27
"Pogo v2"#1 [mm]
  round 1.7 / inner round 1.7 / far side round 2 hole 1.7: 1(0,0)
  body extent -1.5,-1.5 1.49,1.5, height 3.4
"Pogo v2"#2 [mm]
  round 1.7 / inner round 1.7 / far side round 2 hole 1.7: 2(0,0)
  body extent -1.5,-1.5 1.49,1.5, height 3.4
"Pogo v2"#3 [mm]
  round 1.7 / inner round 1.7 / far side round 2 hole 1.7: 3(0,0)
  body extent -1.5,-1.5 1.49,1.5, height 3.4
"Pogo v2"#4 [mm]
  round 1.7 / inner round 1.7 / far side round 2 hole 1.7: 4(0,0)
  body extent -1.5,-1.5 1.49,1.5, height 3.4
"Pogo v2"#5 [mm]
  round 1.7 / inner round 1.7 / far side round 2 hole 1.7: 5(0,0)
  body extent -1.5,-1.5 1.49,1.5, height 3.4
SOD123 [mm]
  rect 0.9x0.95 smd: 1(-1.574,0) 2(1.576,0)
  silkscreen extent 0.75,-0.6 0.75,0.6, body extent -1.92,-0.85 1.93,0.85, height 1.35
SOD523 [mm]
  rect 0.6x0.7 smd: 1(-0.7,0) 2(0.7,0)
  silkscreen extent 0.2,-0.3 0.2,0.3, body extent -1.1,-0.45 1.1,0.45, height 0.7
SOT23-5 [mm]
  rect 0.9x0.65 smd: 1(-1.2,0.95) 2(-1.2,0) 3(-1.2,-0.95) 4(1.2,-0.95) 5(1.2,0.95)
  silkscreen extent -0.35,-1.25 0.35,1.25, body extent -1.4,-1.45 1.4,1.45, height 1.1
SOT23-6L [mm]
  rect 1.2x0.6 smd: 1(-1.3,0.95) 2(-1.3,0) 3(-1.3,-0.95) 4(1.3,-0.95) 5(1.3,0) 6(1.3,0.95)
  round 0.254 on Bottom Overlay: 1(0,0.9)
  silkscreen extent -0.35,-1.25 0.35,1.25, body extent -1.25,-1.5 1.25,1.5, height 1.1
SSOP-28 [mm]
  oval 1.27x0.33 smd: 1(-3.05,4.127) 2(-3.05,3.492) 3(-3.05,2.858) 4(-3.05,2.223) 5(-3.05,1.588) 6(-3.05,0.953) 7(-3.05,0.318) 8(-3.05,-0.317) 9(-3.05,-0.952) 10(-3.05,-1.587) 11(-3.05,-2.222) 12(-3.05,-2.857) 13(-3.05,-3.492) 14(-3.05,-4.127) 15(3.05,-4.127) 16(3.05,-3.492) 17(3.05,-2.858) 18(3.05,-2.223) 19(3.05,-1.588) 20(3.05,-0.953) 21(3.05,-0.318) 22(3.05,0.317) 23(3.05,0.952) 24(3.05,1.587) 25(3.05,2.222) 26(3.05,2.857) 27(3.05,3.492) 28(3.05,4.127)
  silkscreen extent -1.9,-4.8 1.9,4.8, body extent -3.1,-4.95 3.1,4.95, height 1.1
sw5x5 [mm]
  rect 1.7x1.7 smd: 1(-1.85,1.85) 1(1.85,1.85) 2(-1.85,-1.85) 2(1.85,-1.85)
  silkscreen extent 0,-2.25 0,2.25, body extent -2.78,-2.78 2.77,2.77, height 1.51
"TF Slot 2" [mm]
  rect 1.3x1.4 smd: 0(-5.1,-1.935) 0(-5.1,2.515) 0(5.1,-1.935) 0(5.1,2.515)
  rect 0.5x1.5 smd: 1(3.85,-3.685) 2(2.75,-3.685) 3(1.65,-3.685) 4(0.9,-3.685) 5(-0.55,-3.685) 6(-1.65,-3.685) 7(-2.75,-3.685) 8(-3.85,-3.685) 9(0.2,-3.685)
  body extent -5.63,-3.95 5.62,3.15, height 1.51
"USBC 16PIN -1.2" [mm]
  oval 1x1.8 hole 0.6 slot 1.4 at 90 deg paste+0 mask+0: 0(-5.575,1.6) 0(5.575,1.6)
  oval 1x2 hole 0.6 slot 1.6 at 90 deg paste+0 mask+0: 0(-5.575,5.5) 0(5.575,5.5)
  rect 0.6x1.1 smd: A1(3.16,0.55) A4(2.36,0.55) A9(-2.36,0.55) A12(-3.16,0.55)
  rect 0.3x1.1 smd: A5(1.25,0.55) A6(0.25,0.55) A7(-0.25,0.55) A8(-1.25,0.55) B5(-1.75,0.55) B6(-0.75,0.55) B7(0.75,0.55) B8(1.75,0.55)
  Keep-Out Layer board cut-out: -4.5,1.15 -4.5,7.25 4.5,7.25 4.5,1.15
  body extent -5.78,0.15 5.77,7.65, height 1.96
WS2812B#1 [mil] "3535"
  rect 59.1x39.4 smd: 1(-96,63) 2(-96,-63) 3(96,-63) 4(96,63)
  silkscreen extent 57,-83 103,-35, body extent -128,-97 128,97, height 67
WS2812B#2 [mil] "3535"
  rect 59.1x39.4 smd: 1(-96,63) 2(-96,-63) 3(96,-63)
  rect 55.12x39.4 smd: 4(94.01,63)
  silkscreen extent 57,-83 103,-35, body extent -128,-97 128,97, height 67

## Part data
C1 C2 C3 C4 C5 C6 C7 C8 C9 C10: library part Cap, LatestRevisionDate=17-Jul-2002, LatestRevisionNote="Re-released for DXP Platform.", PackageDescription="Radial Cap, Thru-Hole; 2 Leads; 0.3 in Pin Spacing", PackageReference=RAD-0.3, Published=8-Jun-2000, Publisher="Altium Limited"
DBG UPD: library part MHDR1X6, "Header, 6-Pin", LatestRevisionDate=17-Jul-2002, LatestRevisionNote="Re-released for DXP Platform.", Publisher="Altium Limited"
LC1 LC2 LC3 LC4 LC5 LC6 LC7 LC8 LC9 LC10 LC11 LC12 LC13 LC14 LC15 LC16 LC17 LC18 LC19 LC20 LC21 LC22 LC23 LC24 LC25 LC26 LC27 LC28 LC29 LC30 LC31 LC32 LC33 LC34 LC35 LC36 LC37 LC38 LC39 LC40 LC41 LC42 LC43 LC44 LC45 LC46 LC47 LC48 LC49 LC50 LC51 LC52 LC53 LC54 LC55 LC56 LC57 LC58 LC59 LC60 LC61 LC62 LC63 LC64 LC65 LC66 LC67 LC68 LC69 LC70 LC71 LC72 LC73 LC74 LC75 LC76 LC77 LC78 LC79 LC80 LC81 LC82 LC83 LC84 LC85 LC86 LC87 LC88 LC89 LC90 LC91 LC92 LC93 LC94 LC95 LC96: "Capacitor (Semiconductor SIM Model)", LatestRevisionDate=29-May-2009, LatestRevisionNote="IPC-7351 Footprint Added.", PackageDescription="Chip Capacitor", PackageReference=C1206, Published=8-Jun-2000, Publisher="Altium Limited"
LED1 LED2 LED3 LED4 LED5 LED6 LED7 LED8 LED9 LED10 LED11 LED12 LED13 LED14 LED15 LED16 LED17 LED18 LED19 LED20 LED21 LED22 LED23 LED24 LED25 LED26 LED27 LED28 LED29 LED30 LED31 LED32 LED33 LED34 LED35 LED36 LED37 LED38 LED39 LED40 LED41 LED42 LED43 LED44 LED45 LED46 LED47 LED48 LED49 LED50 LED51 LED52 LED53 LED54 LED55 LED56 LED57 LED58 LED59 LED60 LED61 LED62 LED63 LED64 LED65 LED66 LED67 LED68 LED69 LED70 LED71 LED72 LED73 LED74 LED75 LED76 LED77 LED78 LED79 LED80 LED81 LED82 LED83 LED84 LED85 LED86 LED87 LED88 LED89 LED90 LED91 LED92 LED93 LED94 LED95 LED96: "3535"
"Matrix Key": library part SW, "System"
PD1 PD2 PD3: library part "Diode 1N4934", "1 Amp Fast Recovery Rectifier", Code_JEDEC=DO-204-AL, ComponentLink1Description="Manufacturer Link", ComponentLink1URL=http://www.fairchildsemi.com/, ComponentLink2Description=Datasheet, ComponentLink2URL=http://www.fairchildsemi.com/ds/1N%2F1N4934.pdf, DatasheetVersion=1999, LatestRevisionDate=17-Jul-2002, LatestRevisionNote="Re-released for DXP Platform.", PackageDescription="Diode, Axial; Body 5.2 x 2.7 mm (LxDia. max), Lead Dia. 0.86 mm (max)", PackageReference=DO-41, PackageVersion=Aug-1999, Published=8-Jun-2000, Publisher="Altium Limited"
R1 R2 R5 R6 R7 R8 R9 R10 R11: library part Res2, LatestRevisionDate=17-Jul-2002, LatestRevisionNote="Re-released for DXP Platform.", PackageDescription="Axial Device, Thru-Hole; 2 Leads; 0.4 in Pin Spacing", PackageReference=AXIAL-0.4, Published=8-Jun-2000, Publisher="Altium Limited"
RA1 RA2 RA3 RA4: library part "4R8P Resistor"
SW1 SW2 SW3 SW4 SW5 SW6 SW7 SW8 SW9 SW10 SW11 SW12 SW13 SW14 SW15 SW16 SW17 SW18 SW19 SW20 SW21 SW22 SW23 SW24 SW25 SW26 SW27 SW28 SW29 SW30 SW31 SW32 SW33 SW34 SW35 SW36 SW37 SW38 SW39 SW40 SW41 SW42 SW43 SW44 SW45 SW46 SW47 SW48 SW49 SW50 SW51 SW52 SW53 SW54 SW55 SW56 SW57 SW58 SW59 SW60 SW61 SW62 SW63 SW64: library part SW
TC1 TC2: library part Cap, "Needs to be NR0", LatestRevisionDate=17-Jul-2002, LatestRevisionNote="Re-released for DXP Platform.", PackageDescription="Radial Cap, Thru-Hole; 2 Leads; 0.3 in Pin Spacing", PackageReference=RAD-0.3, Published=8-Jun-2000, Publisher="Altium Limited"
TC3 TC4 TC5 TC6 TC7 TC8: library part Cap, "需要用NR0材料 Needs to be NR0", LatestRevisionDate=17-Jul-2002, LatestRevisionNote="Re-released for DXP Platform.", PackageDescription="Radial Cap, Thru-Hole; 2 Leads; 0.3 in Pin Spacing", PackageReference=RAD-0.3, Published=8-Jun-2000, Publisher="Altium Limited"
TouchBar1 TouchBar2 TouchBar3 TouchBar4: library part "6 pin fpc"
USB-C: "MCU"

## Free pads (board coordinates)
  round 1.5 smd far side paste-1000: 1(127.62,168) 2(125.08,168) 3(122.54,168) 4(120,168) 5(117.46,168) 6(114.92,168) 7(112.38,168)
  round 3 smd far side paste+0.2 mask+0.102: ""(112,21.277) ""(116,21.277) ""(120,21.277) ""(124,21.277)
  round 3 smd far side mask+0.102: ""(128,21.277)

## Via types
v1: diameter 0.406, hole 0.254, Top Layer to Bottom Layer, tented both sides, 443 vias
v2: diameter 0.508, hole 0.318, Top Layer to Bottom Layer, tented both sides, 331 vias
v3: diameter 0.349, hole 0.254, Top Layer to Bottom Layer, tented both sides, 6 vias
v4: diameter 8, hole 5.3, Top Layer to Bottom Layer, 4 vias
v5: diameter 0.635, hole 0.397, Top Layer to Bottom Layer, tented both sides, 3 vias
v6: diameter 0.508, hole 0.406, Top Layer to Bottom Layer, tented both sides, 1 vias
v7: diameter 0.61, hole 0.406, Top Layer to Bottom Layer, tented both sides, 1 vias

## Nets (pads, with @x,y where several pads share a name; then routed paths per layer and width w, separated by ;. In a path a pad name is that pad's centre, name@x,y a point inside that pad or via, vN(x,y) a via of type N, cw(c..) or ccw(c..) an arc to the next point about the centre after c; other vN are vias at no path point)
BOOT: MCU.4 UPD.2 | length 135.6
  Top Layer w0.254: v1(192.598,202.686) 192.598,214.598 UPD.2@195.8,217.8
  Bottom Layer w0.254: MCU.4@79,210.2 79.2,210.2 79.523,209.877 79.535,209.877 79.745,209.667 79.745,208.634 80.377,208.002 81.186,208.002 81.474,207.714 81.474,204.568 81.865,204.177 83.066,204.177 84.429,202.814 84.437,202.814 84.566,202.686 v1(192.598,202.686)
CC1: R1.1 USB-C.A5 | length 5.1
  Top Layer w0.203: USB-C.A5@121.25,214.15 121.252,214.148 v3(121.253,213.458) v3(121.253,213.458)
  Bottom Layer w0.254: v3(121.253,213.458) 121.253,212.782 121.253,211.365 122.415,210.203 122.415,209.505 R1.1@122.42,209.5
CC2: R2.2 USB-C.B5 | length 5.3
  Top Layer w0.203: USB-C.B5@118.25,214.15 118.248,214.148 118.248,213.044 118.552,212.741 v3(118.552,212.705)
  Bottom Layer w0.254: R2.2@117.58,209.4 117.63,209.4 117.903,209.673 117.903,211.084 118.552,211.732 v3(118.552,212.705)
EXT1: EXT.1 MCU.41 | length 45.8
  Top Layer w0.254: v1(31.428,213.71) 36.03,213.786 36.033,213.786 36.035,213.786 v1(50.041,213.786)
  Bottom Layer w0.2: v1(50.041,213.786) 49.589,213.334 49.589,209.617 50.041,209.165 51.459,207.747 63.431,207.747 64.288,208.604 64.288,208.938 64.6,209.25 64.9,209.25 MCU.41@65,209.35
  Bottom Layer w0.254: EXT.1@30.645,217.8 29.668,216.823 29.668,214.675 30.077,214.266 31.032,214.266 31.428,213.87 v1(31.428,213.71)
EXT2: EXT.2 MCU.44 | length 48
  Top Layer w0.254: v1(30.812,213.736) 30.812,213.777 30.888,213.853 30.888,213.92 31.208,214.24 49.745,214.24 49.821,214.316 50.26,214.316 50.571,214.006 50.571,213.903 50.647,213.827 v1(50.647,213.786)
  Bottom Layer w0.2: v1(50.647,213.786) 51.223,213.21 51.223,209.569 52.645,208.147 63.265,208.147 63.888,208.77 63.888,211.041 64.674,211.827 64.927,211.827 MCU.44@65,211.9
  Bottom Layer w0.254: EXT.2@28.105,217.8 28.294,217.8 29.214,216.88 29.214,214.487 29.997,213.705 30.251,213.705 30.253,213.707 30.783,213.707 v1(30.812,213.736)
FN: "Matrix Key.1"@120,122.616 MCU.20 | length 124.2
  Top Layer w0.254: 120,122.616 121.576,124.192 v1(121.576,196.218)
  Bottom Layer w0.254: MCU.20@74.55,199.8 74.55,197.53 75.887,196.194 108.755,196.194 108.832,196.27 121.417,196.27 121.439,196.248 121.547,196.248 v1(121.576,196.218)